# Altium PCB Wireless_Security_Board.PcbDoc (part 2 of 2)
Units mm, origin at the board's own origin, x right, y up, seen from the top; angles counter-clockwise.
Board outline 92 x 102 mm, 4 copper layers (Top Layer, GND, PWR, Bottom Layer), stack 1.369 mm thick; 124 components, 86 nets, 443 pads, 177 vias.
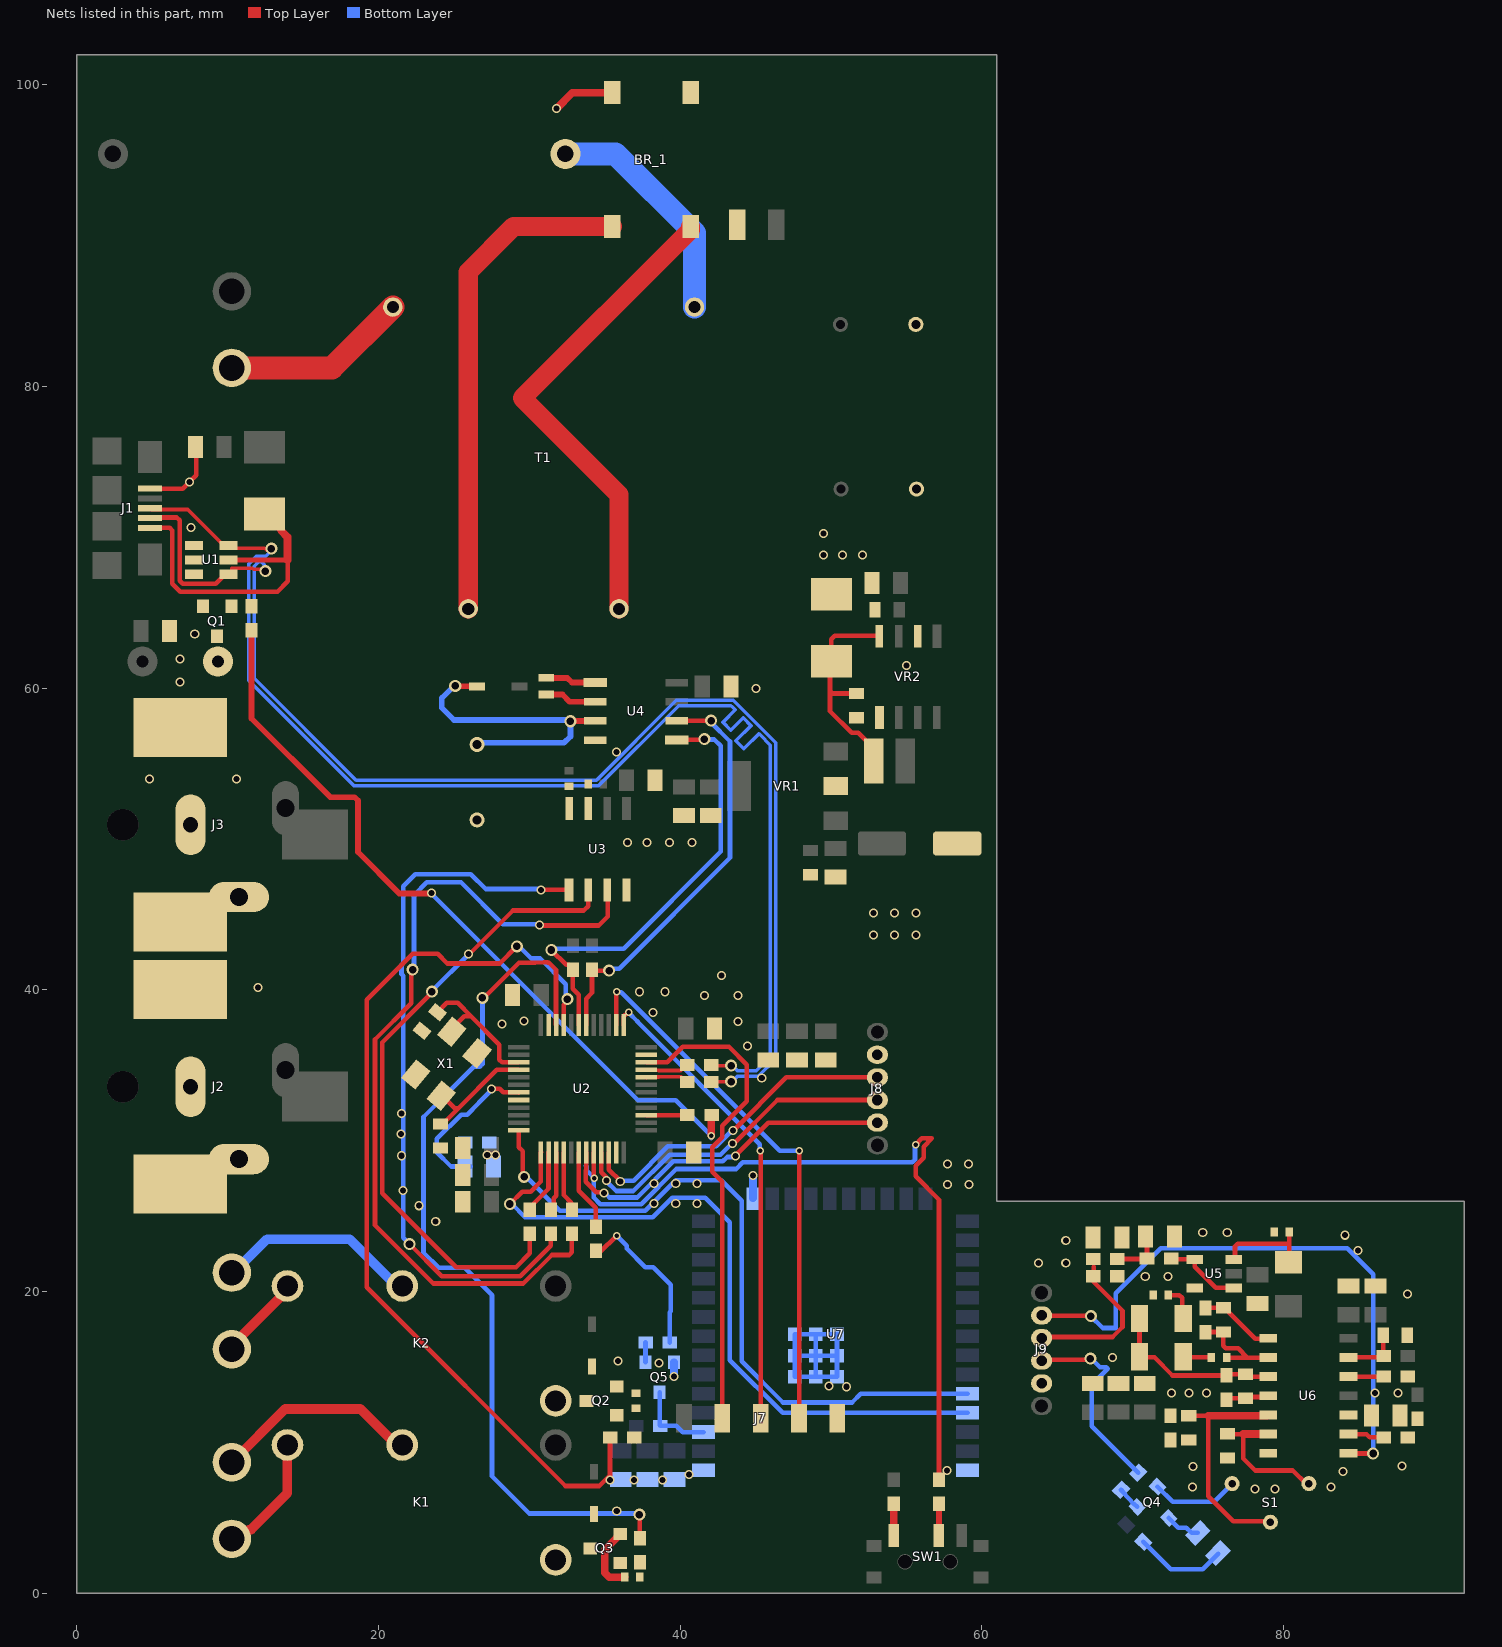
[diagram p4: the nets of this part, all layers, seen from the top]

## Via types
v1: diameter 0.6, hole 0.4, Top Layer to GND, 77 vias
v2: diameter 0.8, hole 0.5, Top Layer to PWR, 22 vias
v3: diameter 0.8, hole 0.5, PWR to Bottom Layer, 19 vias
v4: diameter 0.8, hole 0.5, Top Layer to Bottom Layer, 18 vias
v5: diameter 0.6, hole 0.4, Top Layer to Bottom Layer, 15 vias
v6: diameter 0.6, hole 0.4, GND to Bottom Layer, 13 vias
v7: diameter 0.5, hole 0.3, Top Layer to Bottom Layer, 8 vias
v8: diameter 0.6, hole 0.4, Top Layer to PWR, 5 vias

## Nets (pads, with @x,y where several pads share a name; then routed paths per layer and width w, separated by ;. In a path a pad name is that pad's centre, name@x,y a point inside that pad or via, vN(x,y) a via of type N, cw(c..) or ccw(c..) an arc to the next point about the centre after c; other vN are vias at no path point) (continued)
AC_LINE_2: J6.2 T1.1 | length 12.3
  Top Layer w1.524: J6.2@10.287,81.235 16.922,81.235 T1.1@20.955,85.268
BUZZER: R2.1 R17.2 | length 51.4
  Top Layer w0.305: R17.2@42.075,31.687 R17.2@42.088,31.699
  Top Layer w0.381: R2.1@11.582,63.843 11.582,58.001 16.802,52.781 18.42,52.781 18.644,52.558 18.644,49.136 21.387,46.393 23.482,46.393 v5(23.52,46.431)
  Top Layer w0.508: v7(42.075,30.328) R17.2@42.075,31.687
  Bottom Layer w0.305: v5(23.52,46.431) 23.52,46.38 37.211,32.69 39.713,32.69 v7(42.075,30.328) v7@42.075,30.158
GND: BR_1.4 C1.2 C2.2 C3.2 C4.1 C5.1 C6.2 C7.2 C8.2 C9.2 C10.1 C11.2 C12.2 C13.2 C14.2 C15.2 C16.1 C17.1 C18.2 C19.2 C20.1 C21.1 C22.1 C24.2 C25.1 C26.1 C42.2 C43.2 C44.2 C45.1 D5.2 J1.5 J2.2 J2.3 J3.2 J3.3 J7.5 J8.2 Q1.3 Q2.3 Q3.3 Q5.3 R12.2 R13.2 R35.1 U1.1 U1.2 U1.3 U2.8 U2.23 U2.35 U2.47 U3.4 U4.4 U7.1 U7.15 U7.38 U7.39 VR1.2 VR2.6 X1.2 X1.4 | length 34.5
  Top Layer w0.305: J1.5@4.854,73.228 7.023,73.228 v1(7.468,73.673) 7.912,74.117 C2.2@7.912,75.679
  Top Layer w0.5: Q3.3@36.036,3.919 35.986,3.919 35.836,3.769 35.836,3.719 35.077,2.96 35.077,2.947 35.008,2.877 35.008,1.36 35.301,1.067 R12.2@36.338,1.067
  Top Layer w0.508: J3.2@6.731,57.401 J3.2@7.431,56.701 ; J2.2@6.848,40.029 J2.2@7.548,39.329 ; v1(31.814,98.438) 32.863,99.487 BR_1.4@35.5,99.487
  Bottom Layer w0.305: Q5.3@39.596,15.326 Q5.3@39.597,15.324 ; v6(39.599,14.364) v6(39.599,14.364) ; U7.39@47.6,17.158 47.6,15.763 U7.39@47.604,15.758 ; U7.39@47.604,17.158 U7.39@49.004,17.158 U7.39@50.404,17.158 ; U7.39@49.004,16.966 U7.39@49.004,15.758 ; U7.39@50.406,16.968 50.406,15.76 U7.39@50.404,15.758 ; U7.39@47.604,15.758 U7.39@49.004,15.758 ; U7.39@47.604,15.758 U7.39@47.604,14.358 U7.39@49.004,14.358 ; U7.39@49.004,14.358 U7.39@50.404,14.358 U7.39@50.404,15.758 ; U7.39@49.004,14.358 U7.39@49.004,15.758 ; U7.39@49.004,15.758 U7.39@50.404,15.758
  Bottom Layer w0.508: v6(39.599,14.364) Q5.3@39.597,15.324 ; U7.15@44.818,26.184 44.835,26.201 44.835,27.694 v6(44.831,27.699)
  other v1: 35.801,5.448 51.041,13.691 49.886,13.729 38.608,15.253 35.89,15.405 23.8,24.651 22.695,25.692 38.278,25.845 39.713,25.845 41.11,25.845 21.622,26.701 38.278,27.165 39.713,27.165 41.11,27.165 21.539,29.007 21.501,30.442 21.539,31.813 45.415,34.15 44.475,36.297 28.207,37.744 43.84,37.897 29.655,37.935 38.193,38.506 41.605,39.637 43.828,39.637 37.324,39.878 39.002,39.878 12.014,40.17 42.748,40.97 52.819,43.637 54.204,43.637 55.639,43.637 52.819,45.11 54.204,45.11 55.639,45.11 36.525,49.771 37.808,49.771 39.294,49.771 40.777,49.771 4.813,53.975 10.605,53.975 35.789,55.766 45.047,59.995 6.858,60.427 55.004,61.493 6.846,61.938 7.823,63.602 49.505,68.834 50.762,68.834 52.095,68.834 49.505,70.269 7.582,70.663
  other v6: 35.344,7.506 36.932,7.506 38.849,7.506 40.589,7.887 57.696,8.153 57.734,27.089 59.157,27.089 57.721,28.473 59.131,28.473 27.216,29.07 27.775,29.07
GND_2: 1.1 C27.1 C28.2 C29.1 C32.1 C33.2 C34.1 C36.1 C38.2 C39.1 C40.1 C41.2 J9.2 Q4.3 R23.1 R26.2 R27.2 R28.2 S1.3 U5.5 U6.7 | length 5.9
  Bottom Layer w0.305: Q4.3@71.653,7.074 72.657,6.071 75.407,6.071 S1.3@76.601,7.264
  other v1: 78.13,6.909 79.451,6.909 73.977,7.036 83.147,7.036 83.96,8.077 74.016,8.407 87.859,8.445 72.581,13.271 73.749,13.271 74.905,13.271 86.068,13.271 87.592,13.271 68.656,15.634 88.214,19.85 70.841,21.006 72.352,21.006 63.767,21.895 65.57,21.895 84.95,22.72 65.57,23.393 84.087,23.736 74.651,23.927 76.276,23.927
LED_S: J9.3 R32.1 | length 13.3
  Top Layer w0.305: J9.3@63.97,15.419 64.039,15.488 67.127,15.488 v4(67.196,15.557)
  Bottom Layer w0.305: v4(67.196,15.557) 67.277,15.557 67.842,14.992 68.257,14.992 68.351,14.897 67.29,13.836 67.29,11.07 R32.1@70.365,7.995
LIGHT_1_GND: J4.2 K1.1 | length 8.1
  Top Layer w0.635: J4.2@10.287,3.607 10.805,3.607 11.421,4.223 11.551,4.223 13.97,6.642 K1.1@13.97,9.83
LIGHT_1_VCC: J4.1 K1.2 | length 13.8
  Top Layer w0.635: J4.1@10.287,8.687 13.818,12.217 18.806,12.217 21.194,9.83 K1.2@21.59,9.83
LIGHT_2_GND: J5.2 K2.1 | length 5.7
  Top Layer w0.635: J5.2@10.287,16.18 10.287,16.434 13.97,20.117 K2.1@13.97,20.371
LIGHT_2_VCC: J5.1 K2.2 | length 13.5
  Bottom Layer w0.635: J5.1@10.287,21.26 10.397,21.26 12.62,23.482 18.082,23.482 21.194,20.371 K2.2@21.59,20.371
MCU_N: R15.1 U2.32 | length 2.9
  Top Layer w0.254: U2.32@37.753,34.202 37.776,34.225 38.582,34.225 38.606,34.249 39.675,34.249 40.018,34.249 40.38,33.887 R15.1@40.462,33.887
MCU_P: R16.1 U2.33 | length 2.9
  Top Layer w0.254: U2.33@37.753,34.702 37.776,34.679 38.582,34.679 38.606,34.655 39.507,34.655 40.018,34.655 40.38,35.017 R16.1@40.462,35.017
NetBR_1_1: BR_1.1 T1.9 | length 33.1
  Top Layer w1.27: T1.9@25.955,65.268 25.955,87.601 28.961,90.607 BR_1.1@35.5,90.607
NetBR_1_2: BR_1.2 T1.7 | length 32.6
  Top Layer w1.27: T1.7@35.955,65.268 35.953,65.27 35.953,72.831 29.543,79.24 40.7,90.397 BR_1.2@40.7,90.607
NetBR_1_3: BR_1.3 F1.1
NetC3_1: C23.1 VR2.1
NetC3_2: C23.2 D5.1 L1.1 VR2.8 | length 13.6
  Top Layer w0.305: D5.1@49.936,61.798 49.936,59.83 ; 50.009,62.884 50.009,63.255 50.241,63.487 VR2.8@53.213,63.487 ; C23.2@51.689,59.652 50.115,59.652 49.936,59.83 ; L1.1@52.832,55.169 52.832,56.019 51.807,57.044 51.379,57.044 49.936,58.486 49.936,59.83
NetC18_2: C4.2 U2.3 X1.3 | length 9.7
  Top Layer w0.305: C4.2@23.92,38.522 24.536,39.138 25.251,39.138 26.137,38.252 ; X1.3@24.858,37.227 24.858,37.429 25.681,38.252 26.137,38.252 ; U2.3@29.303,35.202 29.301,35.204 28.197,35.204 28.018,35.383 28.018,36.371 26.137,38.252
NetC19_2: C5.2 U2.4 X1.1 | length 7.7
  Top Layer w0.305: X1.1@24.164,32.979 24.235,32.979 25.058,32.156 25.31,32.156 ; C5.2@24.463,31.308 25.31,32.156 ; U2.4@29.303,34.702 29.301,34.699 27.854,34.699 25.31,32.156
NetC28_1: C3.1 D2.1 U4.3 | length 21.3
  Top Layer w0.203: v4(32.728,57.81) v4@32.741,57.823 ; U4.3@34.371,57.823 U4.3@34.384,57.836
  Top Layer w0.381: v4(25.096,60.153) 25.111,60.137 26.528,60.137 D2.1@26.543,60.122 ; v4@32.741,57.823 U4.3@34.371,57.823
  Bottom Layer w0.381: v4(25.096,60.153) 25.012,60.153 24.206,59.347 24.206,58.699 25.015,57.891 32.648,57.891 v4(32.728,57.81) 32.728,56.807 32.311,56.39 26.661,56.39 C3.1@26.543,56.272
NetC31_1: C30.1 C31.1 C37.1 R25.1 U6.3 | length 11.9
  Top Layer w0.305: C31.1@70.457,18.44 C31.1@70.457,18.224 C30.1@70.457,15.684 70.508,15.634 71.45,15.634 72.644,14.44 R25.1@76.225,14.44 76.314,14.529 C37.1@77.495,14.529 77.66,14.364 U6.3@78.995,14.364
NetC31_2: C37.2 R25.2 U6.4 | length 2.9
  Top Layer w0.305: R25.2@76.225,12.84 76.314,12.929 C37.2@77.495,12.929 77.578,13.011 78.913,13.011 U6.4@78.995,13.094
NetC34_2: C30.2 R24.1 | length 1.9
  Top Layer w0.305: C30.2@73.357,15.684 73.408,15.634 R24.1@75.23,15.634
NetC35_1: 2.1 C35.1 R24.2 U6.2 | length 6.8
  Top Layer w0.305: 2.1@74.828,17.31 74.841,17.323 C35.1@76.035,17.323 76.009,17.297 76.009,16.409 76.187,16.231 77.003,16.231 77.613,15.621 ; R24.2@76.23,15.634 76.243,15.621 77.613,15.621 ; U6.2@78.995,15.634 78.982,15.621 77.613,15.621
NetC35_2: 2.2 C35.2 U6.1 | length 5.1
  Top Layer w0.305: 2.2@74.828,18.91 74.841,18.923 C35.2@76.035,18.923 76.16,18.923 76.383,18.7 76.383,18.626 78.127,16.882 78.974,16.882 U6.1@78.995,16.904
NetC36_2: 1.2 C31.2 | length 2.4
  Top Layer w0.305: 1.2@72.357,19.761 73.105,19.761 73.284,19.583 73.284,18.26 C31.2@73.319,18.224
NetC38_2: C36.2 S1.1 U6.6 | length 9.4
  Top Layer w0.305: C36.2@76.289,10.554 77.337,10.554 77.337,8.934 78.133,8.138 80.631,8.138 81.504,7.264 S1.1@81.692,7.264
  Top Layer w0.508: 77.337,10.554 U6.6@78.995,10.554
NetC39_2: C34.2 R23.2 S1.2 U6.5 | length 15.5
  Top Layer w0.305: C34.2@73.724,11.76 75.006,11.76 75.006,6.439 76.67,4.775 79.065,4.775 S1.2@79.131,4.709 ; U6.5@78.932,11.76 U6.5@78.995,11.824
  Top Layer w0.508: 75.006,11.76 U6.5@78.932,11.76
NetC41_1: C33.1 R20.1 R21.1 R22.2 | length 3.5
  Top Layer w0.305: R21.1@68.986,22.162 70.917,22.162 R22.2@70.955,22.2 70.955,23.558 C33.1@70.866,23.647
NetD1_2: D3.2 K2.4 Q2.2
NetD2_2: D4.2 K1.4 Q3.2
NetD4_2: D1.2 J1.1 U1.5 | length 21.5
  Top Layer w0.305: J1.1@5.651,70.637 6.159,70.637 6.337,70.459 6.337,66.932 6.861,66.408 13.31,66.408 13.995,67.094 13.995,68.477 13.97,68.502 U1.5@10.067,68.502
  Top Layer w0.508: D1.2@12.446,71.552 12.531,71.552 13.564,70.52 13.564,70.434 13.97,70.028 13.97,68.502
NetD6_1: D6.1 R30.1
NetD6_2: D6.2 U6.10
NetD7_1: D7.1 R31.2 | length 6.2
  Bottom Layer w0.305: R31.2@70.714,3.404 72.53,1.587 74.651,1.587 D7.1@75.692,2.629
NetD7_2: D7.2 Q4.2 | length 2.3
  Bottom Layer w0.305: Q4.2@72.396,4.988 73.04,4.343 73.565,4.343 73.909,3.999 D7.2@74.322,3.999
NetJ6_2: J7.2 U2.34 | length 32.2
  Top Layer w0.305: U2.34@37.753,35.202 37.755,35.204 39.154,35.204 40.17,36.22 43.244,36.22 44.412,35.052 44.412,32.614 42.801,31.002 42.801,30.227 42.143,29.57 42.143,27.946 42.799,27.29 J7.2@42.799,11.608
NetJ6_3: J7.3 U2.37 | length 31.5
  Top Layer w0.305: U2.37@36.278,37.677 36.278,38.258 36.554,38.534 v7(36.604,38.534) ; J7.3@45.339,11.608 v7@45.339,29.312
  Bottom Layer w0.305: v7(36.604,38.534) 36.604,38.481 37.177,37.908 37.177,37.892 45.289,29.781 45.289,29.362 v7(45.326,29.324)
NetJ6_4: J7.4 U2.38 | length 36.4
  Top Layer w0.305: U2.38@35.778,37.677 v7@35.778,39.88 ; J7.4@47.879,11.608 47.904,11.633 v7(47.904,29.35)
  Bottom Layer w0.305: v7(35.789,39.891) 35.826,39.853 36.105,39.853 46.609,29.35 v7(47.904,29.35)
NetJ8_3: J8.3 U2.22 | length 22.2
  Top Layer w0.305: U2.22@35.278,29.227 35.28,29.224 35.28,28.088 36.033,27.336 v5(36.033,27.297) ; v5(43.512,30.666) 47.048,34.202 J8.3@53.086,34.202
  Bottom Layer w0.305: v5(36.033,27.297) 36.089,27.354 36.917,27.354 39.192,29.629 42.396,29.629 43.432,30.666 v5(43.512,30.666)
NetJ8_4: J8.4 U2.21 | length 22.9
  Top Layer w0.305: U2.21@34.778,29.227 34.78,29.224 34.78,27.907 35.113,27.574 v5(35.113,27.364) v5@35.057,27.42 ; v5(43.488,29.812) 43.568,29.812 46.457,32.702 J8.4@53.086,32.702
  Bottom Layer w0.305: v5(35.113,27.364) 35.113,27.325 35.772,26.667 36.903,26.667 39.319,29.083 42.679,29.083 43.408,29.812 v5(43.488,29.812)
NetJ8_5: J8.5 U2.19 | length 23.8
  Top Layer w0.305: U2.19@33.778,29.227 33.778,28.088 33.744,28.055 33.744,27.277 34.439,26.582 34.894,26.582 v5(34.95,26.525) ; v5(43.688,28.982) 43.688,29.041 45.849,31.202 J8.5@53.086,31.202
  Bottom Layer w0.305: v5(34.95,26.525) 35.03,26.525 35.321,26.235 37.151,26.235 39.549,28.633 42.839,28.633 43.132,28.925 43.632,28.925 v5(43.688,28.982)
NetLS1_2: LS1.2 Q1.2
NetQ1_1: Q3.1 R12.1 R14.2
NetQ2_1: Q2.1 R11.2 R13.1
NetQ3_1: Q5.1 R33.2 | length 1.3
  Bottom Layer w0.305: Q5.1@37.706,15.326 R33.2@37.706,16.624
NetQ4_1: Q1.1 R2.2
NetQ5_1: Q4.1 R32.2 | length 1.6
  Bottom Layer w0.305: R32.2@69.234,6.864 69.395,6.675 70.082,5.923 Q4.1@70.31,5.73
NetR1_2: R1.2 T1.5 | length 15.6
  Bottom Layer w1.524: R1.2@32.399,95.428 35.712,95.428 40.955,90.185 T1.5@40.955,85.268
NetR2_1: R14.1 U2.46 | length 58.6
  Top Layer w0.305: v3(26.899,39.472) 27,39.472 29.324,41.796 29.983,41.796 30.407,41.808 30.952,41.821 31.226,41.821 31.305,41.796 31.383,41.718 31.776,41.326 31.776,37.679 U2.46@31.778,37.677 ; v2(37.3,5.213) 37.319,5.194 37.319,3.661 R14.1@37.338,3.642
  Bottom Layer w0.305: v3(26.899,39.472) 26.899,35.091 26.72,34.912 26.327,34.912 22.987,31.572 22.987,22.581 23.99,21.577 25.719,21.577 27.534,19.762 ; 27.534,19.761 27.534,7.76 30.004,5.289 37.224,5.289 v2(37.3,5.213)
  other v2: 26.899,39.472
  other v3: 37.3,5.213
NetR3_1: R11.1 U2.45 | length 62.5
  Top Layer w0.305: v2(29.185,42.888) 28.046,41.75 24.574,41.75 23.931,42.393 22.272,42.393 19.234,39.355 19.234,20.279 32.401,7.112 34.63,7.112 35.357,7.839 R11.1@35.357,10.338 ; U2.45@32.278,37.677 32.28,37.679 32.28,39.017 32.525,39.261 v3(32.525,39.395)
  Bottom Layer w0.305: v2(29.185,42.888) 29.319,42.888 30.124,42.082 30.717,42.082 32.43,40.369 32.43,39.49 v3(32.525,39.395)
  other v2: 32.525,39.395
  other v3: 29.185,42.888
NetR10_1: R3.1 U2.14 | length 4.3
  Top Layer w0.305: R3.1@30.036,25.438 30.283,25.686 30.283,25.825 31.276,26.818 31.276,29.224 U2.14@31.278,29.227
NetR11_1: R4.1 U2.15 | length 3.9
  Top Layer w0.305: R4.1@31.623,25.438 31.623,26.2 31.778,26.355 U2.15@31.778,29.227
NetR12_1: R6.1 U2.16 | length 4.2
  Top Layer w0.305: U2.16@32.278,29.227 32.28,29.224 32.28,26.406 32.795,25.891 R6.1@32.795,25.438 ; R6.1@32.83,25.438 R6.1@32.957,25.311
NetR14_1: R10.1 U2.18 | length 5.4
  Top Layer w0.305: U2.18@33.278,29.227 33.278,26.691 34.417,25.552 R10.1@34.417,24.308
NetR17_1: R17.1 U2.27 | length 2.7
  Top Layer w0.305: U2.27@37.753,31.702 37.754,31.701 40.486,31.701 R17.1@40.488,31.699
NetR18_1: R19.1 SW1.2 | length 2.1
  Top Layer w0.381: SW1.2@57.162,3.833 R19.1@57.163,5.931
NetR19_2: R18.2 SW1.1 | length 2.1
  Top Layer w0.508: SW1.1@54.162,3.833 R18.2@54.162,5.927
NetR20_1: R5.1 U3.8
NetR21_1: R8.1 U3.7
NetR28_1: R28.1 U6.12 | length 2.3
  Top Layer w0.305: U6.12@84.315,14.364 R28.1@86.652,14.364
NetR29_1: R27.1 U6.9 | length 2.4
  Top Layer w0.305: U6.9@84.315,10.554 85.509,10.554 85.725,10.338 R27.1@86.64,10.338
NetR34_1: R22.1 U5.1 U5.4 | length 5.3
  Top Layer w0.305: R22.1@72.555,22.2 72.621,22.134 U5.4@74.113,22.134 74.113,21.645 75.514,20.244 U5.1@76.713,20.244
NetR36_1: R26.1 TH1.2 U5.3 | length 6.5
  Top Layer w0.305: U5.3@76.713,22.134 76.793,22.214 76.793,22.995 76.971,23.174 80.395,23.174 ; TH1.2@80.34,21.933 80.395,22.531 80.395,23.174 ; R26.1@80.395,23.817 80.395,23.174
NetU4_1: U4.1 X2.1 | length 3.4
  Top Layer w0.381: X2.1@31.128,60.684 32.521,60.684 32.83,60.376 U4.1@34.384,60.376
NetU4_2: U4.2 X2.2 | length 3.5
  Top Layer w0.381: X2.2@31.128,59.584 32.198,59.584 32.677,59.106 U4.2@34.384,59.106
NRST: C45.2 R35.2 U2.7 | length 10.5
  Top Layer w0.305: v5(27.483,33.437) 28.057,33.437 28.289,33.204 29.301,33.204 U2.7@29.303,33.202
  Bottom Layer w0.305: C45.2@26.105,28.296 24.816,28.296 23.876,29.235 23.876,30.124 25.48,31.728 25.882,31.728 26.654,32.5 26.654,32.529 27.483,33.357 v5(27.483,33.437)
PIR_DETECT: J9.5 U6.8 | length 40.2
  Top Layer w0.305: J9.5@63.97,18.419 63.991,18.398 67.213,18.398 v4(67.234,18.377) ; U6.8@84.315,9.296 84.347,9.265 v4(85.947,9.265) v4@86.004,9.208
  Bottom Layer w0.305: v4(67.234,18.377) 68.028,17.583 68.866,17.583 68.885,17.564 68.885,19.894 71.864,22.873 84.239,22.873 85.966,21.146 85.966,9.284 v4(85.947,9.265)
PIR_OSC: C41.1 R29.2 U6.13 | length 3.5
  Top Layer w0.305: U6.13@84.315,15.634 86.322,15.634 R29.2@86.652,15.735 ; R29.2@86.614,15.941 C41.1@86.614,17.107
RTC_SCL: R9.2 U2.42 U4.6 | length 28
  Top Layer w0.305: U2.42@33.778,37.677 33.78,37.679 33.78,39.419 34.163,39.802 R9.2@34.163,41.326 34.214,41.275 v3(35.293,41.275) ; U4.6@39.784,57.836 39.797,57.848 v2(42.062,57.848)
  Bottom Layer w0.305: v3(35.293,41.275) 35.433,41.415 35.966,41.415 43.307,48.755 43.307,56.47 42.062,57.714 v2(42.062,57.848)
  other v2: 35.293,41.275
  other v3: 42.062,57.848
RTC_SDA: R7.2 U2.43 U4.5 | length 29.9
  Top Layer w0.305: v2(31.471,42.647) 31.471,42.634 32.449,41.656 32.645,41.656 32.893,41.408 R7.2@32.893,41.326 32.88,41.313 32.88,40.072 33.276,39.677 33.276,37.679 U2.43@33.278,37.677 ; U4.5@39.784,56.566 39.816,56.598 41.573,56.598 v3(41.605,56.629)
  Bottom Layer w0.305: v2(31.471,42.647) 31.565,42.741 36.264,42.741 42.697,49.174 42.697,56.185 42.278,56.604 41.631,56.604 v3(41.605,56.629)
  other v2: 41.605,56.629
  other v3: 31.471,42.647
SENSOR_ON_OFF: R19.2 U2.20 | length 52.8
  Top Layer w0.305: U2.20@34.278,29.227 34.278,27.617 34.324,27.57 v7(34.324,27.518) ; v7(55.613,29.743) 56.032,30.162 56.693,30.162 56.143,29.612 56.143,28.868 55.613,28.339 55.613,27.648 57.163,26.098 R19.2@57.163,7.531
  Bottom Layer w0.305: 33.758,28.351 33.796,28.314 33.796,28.046 v7(34.324,27.518) 34.287,27.48 34.287,26.818 34.277,26.808 34.277,26.239 34.713,25.803 37.424,25.803 39.751,28.13 43.726,28.13 44.158,28.562 55.397,28.562 55.576,28.741 55.576,29.706 v7(55.613,29.743)
TEMP_ADC: C28.1 J9.4 R20.2 R21.2 | length 10.5
  Top Layer w0.305: J9.4@63.97,16.919 64.043,16.993 68.669,16.993 69.329,17.653 69.329,18.733 67.424,20.637 67.424,21.653
TEMP_IN_CS: R3.2 U3.2 | length 42
  Top Layer w0.305: v2(23.546,39.891) 23.546,39.8 20.257,36.511 20.257,26.508 25.149,21.615 29.121,21.615 30.036,22.53 R3.2@30.036,23.838 ; v5@26.039,42.38 28.922,45.263 33.625,45.263 33.909,45.547 U3.2@33.909,46.627
  Bottom Layer w0.305: v2(23.546,39.891) 23.546,39.929 25.959,42.342 v5(25.959,42.38)
  other v3: 23.546,39.891
TEMP_IN_SCLK: R4.2 U3.1 | length 47.7
  Top Layer w0.305: v3(22.06,23.152) 24.194,21.018 29.413,21.018 31.433,23.038 R4.2@31.433,23.838 ; v5(30.769,46.634) U3.1@32.639,46.627 U3.1@32.541,46.611
  Bottom Layer w0.305: v3(22.06,23.152) 22.06,23.172 21.654,23.578 21.654,40.928 21.533,41.049 21.533,41.654 21.654,41.774 21.654,46.876 22.454,47.676 26.133,47.676 27.118,46.691 30.712,46.691 v5(30.769,46.634)
  other v2: 22.06,23.152
TEMP_IN_SIO: R6.2 U3.3 | length 56.1
  Top Layer w0.305: v2(22.263,41.351) 22.168,41.256 22.168,39.105 19.774,36.711 19.774,24.405 23.643,20.536 29.613,20.536 31.505,22.428 32.651,22.428 32.83,22.607 R6.2@32.83,23.838 ; v5(30.683,44.31) 30.721,44.272 34.608,44.272 35.204,44.869 U3.3@35.204,46.627
  Bottom Layer w0.305: v2(22.263,41.351) 22.358,41.446 22.358,46.28 23.204,47.126 25.478,47.126 28.237,44.367 30.627,44.367 v5(30.683,44.31)
  other v3: 22.263,41.351
USB_N: J1.2 R15.2 U1.4 | length 87.4
  Top Layer w0.234: U1.4@10.061,67.558 10.095,67.558 10.278,67.741 10.278,67.964 11.642,67.964 11.726,67.88 12.402,67.88 v2(12.51,67.772) ; R15.2@42.062,33.887 42.097,33.922 v3(43.383,33.922)
  Top Layer w0.305: J1.2@4.854,71.283 4.889,71.318 6.629,71.318 6.82,71.127 6.82,67.132 7.024,66.928 9.21,66.928 U1.4@9.706,67.424
  Bottom Layer w0.234: v2(12.51,67.772) 12.426,67.856 12.426,68.2 12.246,68.38 12.052,68.38 11.76,68.088 11.76,60.668 18.517,53.911 34.455,53.911 39.751,59.207 43.52,59.207 46.348,56.38 46.348,35.423 45.193,34.268 43.803,34.268 43.457,33.922 v3(43.383,33.922)
  other v2: 43.383,33.922
  other v3: 12.51,67.772
USB_P: J1.3 R16.2 U1.6 | length 90
  Top Layer w0.234: J1.3@4.854,71.933 4.937,71.85 7.369,71.85 9.761,69.458 U1.6@10.061,69.458 10.244,69.275 12.452,69.275 12.588,69.14 12.599,69.151 12.794,69.151 v3(12.902,69.259) ; R16.2@42.062,35.017 42.103,34.976 v3(43.383,34.976)
  Bottom Layer w0.234: v3(12.902,69.259) 12.902,69.106 12.537,68.741 11.902,68.741 11.399,68.238 11.399,60.518 18.367,53.55 34.605,53.55 39.901,58.846 43.371,58.846 43.453,58.763 43.653,58.563 42.841,57.751 43.366,57.226 44.178,58.039 44.703,57.514 43.701,56.512 44.226,55.987 45.228,56.989 45.311,56.906 45.987,56.23 45.987,35.573 45.043,34.629 43.803,34.629 43.457,34.976 v3(43.383,34.976)
  other v2: 43.383,34.976 12.902,69.259
WIFI_EN: R10.2 R33.1 | length 10.5
  Top Layer w0.305: R10.2@34.681,22.603 v7(35.789,23.711)
  Bottom Layer w0.305: v7(35.789,23.711) 36.462,23.037 36.462,22.859 37.698,21.624 38.208,21.624 39.369,20.463 39.369,18.692 39.319,18.642 R33.1@39.319,16.624
WIFI_OUT: Q5.2 R34.2 U7.3 | length 5.3
  Bottom Layer w0.305: Q5.2@38.646,13.326 38.646,11.138 R34.2@38.684,11.1 39.751,11.1 40.17,10.681 U7.3@41.554,10.681
WIFI_RXD: U2.12 U7.34 | length 47
  Top Layer w0.305: U2.12@29.303,30.702 29.303,29.574 29.56,29.317 29.56,27.705 v4(29.655,27.61)
  Bottom Layer w0.305: v4(29.655,27.61) 29.789,27.61 32.027,25.372 37.691,25.372 39.7,27.381 42.736,27.381 44.082,26.035 44.082,15.392 46.825,12.649 51.397,12.649 51.981,13.233 U7.34@59.054,13.233
WIFI_TXD: U2.13 U7.35 | length 47.1
  Top Layer w0.305: v4(28.721,25.806) 29.531,26.616 30.096,26.616 30.776,27.296 30.776,29.224 U2.13@30.778,29.227
  Bottom Layer w0.305: v4(28.721,25.806) 28.855,25.806 29.722,24.94 38.199,24.94 39.484,26.226 41.681,26.226 43.304,24.602 43.304,15.458 46.8,11.963 U7.35@59.054,11.963
pads on no net: J1. J1.4 J2. J3. J8.6 J9.6 SW1. SW1.3 U2.1 U2.2 U2.5 U2.6 U2.10 U2.11 U2.17 U2.25 U2.26 U2.28 U2.29 U2.30 U2.31 U2.39 U2.40 U2.41 U2.44 U3.6 U4.7 U6.11 U7.4 U7.5 U7.6 U7.7 U7.8 U7.9 U7.10 U7.11 U7.12 U7.13 U7.14 U7.16 U7.17 U7.18 U7.19 U7.20 U7.21 U7.22 U7.23 U7.24 U7.25 U7.26 U7.27 U7.28 U7.29 U7.30 U7.31 U7.32 U7.33 U7.36 U7.37 VR2.2 VR2.3 VR2.5

## Polygon pours and split planes (outlines as drawn)
GND on Top Layer "Top Layer-GND" (solid, remove dead copper, pour order 58): 3.327,25.133 5.398,23.063 13.17,23.063 16.878,19.355 16.878,16.891 31.56,2.21 36.246,2.21 38.913,4.877 38.913,6.693 42.291,10.071 51.333,10.071 58.509,17.247 58.509,48.387 59.373,48.387 60.033,49.047 60.033,50.406 59.373,51.067 58.509,51.067 58.509,86.322 54.381,86.322 48.755,80.696 48.755,62.078 47.536,60.858 14.288,60.858 9.182,65.964 3.226,65.964 3.327,59.538
GND_2 on Top Layer "GND_2_L01_P059" (solid, remove dead copper, pour order 59): 62.751,22.288 62.751,11.976 68.783,5.944 68.809,5.969 88.494,5.969 89.421,6.896 89.421,20.104 84.671,24.854 65.316,24.854
NetQ1_1 on Top Layer "NETQ1_1_L01_P037" (solid, pour order 37): 36.83,2.464 36.957,2.591 37.719,2.591 37.821,2.489 37.821,1.422 37.668,1.27 37.668,0.762 37.592,0.686 37.135,0.686 36.957,0.864 36.957,1.524 36.855,1.626 35.585,1.626 35.509,1.702 35.509,2.388 35.585,2.464 35.662,2.464
GND on Top Layer "GND_L01_P060" (solid, pour order 60): 7.709,71.031 7.404,71.031 7.163,70.79 7.163,67.348 7.264,67.246 8.331,67.246 8.42,67.335 8.42,70.32
5VDC on Top Layer "5VDC_L01_P030" (solid, pour order 30): 57.379,58.776 57.379,57.328 58.843,55.864 59.131,55.167 59.131,54.026 58.699,53.594 56.236,53.594 55.422,52.78 55.143,52.108 55.143,49.174 54.788,48.819 48.158,48.819 48.006,48.971 48.031,48.997 48.031,51.13 49.174,52.273 51.638,52.273 51.638,50.946 49.116,50.42 48.87,50.116 48.87,50 49.136,49.733 49.225,49.733 49.555,50.063 51.283,50.063 53.795,52.576 54.153,53.439 54.153,56.617 54.407,56.871 56.363,56.871 56.693,57.201 56.693,58.801 56.871,58.979 57.226,58.979 57.379,58.826
NetQ4_1 on Top Layer "NETQ4_1_L01_P040" (solid, pour order 40): 9.906,66.002 10.947,66.002 11.024,66.078 11.963,66.078 12.09,65.951 12.09,65.062 11.963,64.935 9.931,64.935 9.779,65.087 9.779,65.875
NetQ2_1 on Top Layer "NETQ2_1_L01_P038" (solid, pour order 38): 36.5,12.268 36.805,12.573 36.805,12.598 37.363,12.598 37.516,12.446 37.516,9.957 37.389,9.83 36.5,9.83 36.373,9.957 36.373,11.151 36.246,11.278 35.382,11.278 35.255,11.405 35.255,12.192 35.331,12.268
NetD2_2 on Top Layer "NETD2_2_L01_P034" (solid, pour order 34): 34.417,2.388 33.68,2.388 32.461,1.168 31.115,1.168 30.632,1.651 30.632,2.743 31.369,3.48 31.394,3.454 33.553,3.454 33.934,3.835 33.934,5.791 34.087,5.944 34.468,5.944 34.595,5.817 34.595,2.565 34.595,5.893 34.595,2.565
5VDC on Top Layer "5VDC_L01_P029" (solid, pour order 29): 3.175,61.138 3.683,60.63 4.826,60.63 5.461,61.265 5.461,62.535 4.953,63.043 4.953,64.567 4.699,64.821 3.81,64.821 3.556,64.567 3.556,62.916 3.175,62.535
5VDC on Top Layer "5VDC_L01_P028" (solid, pour order 28): 9.487,72.314 9.144,72.657 9.144,76.632 9.779,77.267 13.843,77.267 14.097,77.013 14.097,74.981 13.589,74.473 10.795,74.473 10.287,73.965 10.287,72.555 10.046,72.314
GND on Bottom Layer "Bottom Layer-GND" (solid, pour order 56): 57.988,25.298 59.652,26.962 59.652,28.664 59.22,29.096 57.518,29.096 57.214,28.791 57.214,27.851 57.214,24.194 51.384,18.364 47.066,18.364 46.444,17.742 46.444,13.754 46.876,13.322 51.079,13.322 51.727,13.97 51.727,17.183 57.988,23.444
3V3DC on PWR (split plane): 203 vertices, not listed, extent 0.51,0.51 60.655,86.703
5VDC on PWR (split plane): 11.662,74.295 6.462,61.5 6.462,61.499 6.46,61.487 6.458,61.475 6.458,61.474 6.46,61.462 6.463,61.45 6.463,61.449 6.47,61.439 6.477,61.429 13.328,54.855 13.337,54.85 13.345,54.844 13.347,54.843 13.35,54.842 13.359,54.84 13.369,54.837 13.372,54.838 13.374,54.837 13.384,54.84 13.394,54.841 16.416,55.884 30.617,60.667 43.859,60.614 51.499,56.839 51.501,56.838 51.503,56.837 51.513,56.835 51.523,56.832 51.525,56.832 51.527,56.832 59.156,56.781 59.168,53.503 59.002,53.494 51.618,53.494 42.387,58.971 42.382,58.973 42.378,58.975 42.37,58.977 42.363,58.979 42.358,58.979 42.354,58.98 31.128,58.98 31.118,58.978 31.108,58.977 17.138,54.481 17.129,54.476 17.12,54.472 17.118,54.47 17.116,54.469 17.11,54.461 17.103,54.454 14.582,50.445 12.044,50.408 2.68,61.794 9.377,75.353
3V3DC_2 on PWR (split plane): 91.49,0.51 62.7,0.51 62.7,25.49 91.49,25.49
3V3DC on PWR (split plane): 42.986,56.691 46.864,48.183 42.243,36.002 42.241,35.991 42.239,35.979 42.239,33.21 42.24,33.206 42.24,33.202 42.242,33.194 42.244,33.186 42.246,33.182 42.248,33.178 42.253,33.172 42.258,33.165 42.262,33.162 42.265,33.159 42.777,32.772 40.988,30.983 40.974,30.962 40.969,30.937 40.969,24.104 38.64,17.898 36.787,18.006 37.047,20.641 37.528,23.053 37.528,23.065 37.528,23.078 37.524,23.089 37.519,23.101 36.415,24.775 36.41,24.78 36.406,24.785 36.401,24.789 36.397,24.793 36.391,24.796 36.385,24.799 36.379,24.801 36.374,24.803 36.367,24.803 36.361,24.804 35.318,24.804 35.307,24.802 35.296,24.801 35.295,24.8 35.293,24.799 35.284,24.793 35.275,24.788 33.592,23.266 29.119,23.09 29.107,23.087 29.096,23.085 29.095,23.084 29.094,23.084 29.085,23.077 29.075,23.071 27.773,21.769 25.224,21.769 24.246,22.747 24.246,24.433 24.945,25.132 27.225,25.17 28.175,24.632 28.179,24.631 28.183,24.628 28.191,24.627 28.199,24.625 28.204,24.625 28.208,24.624 29.338,24.649 29.35,24.652 29.362,24.654 29.362,24.655 29.363,24.655 29.373,24.662 29.383,24.668 31.548,26.834 37.795,26.834 37.82,26.839 37.841,26.853 38.031,27.043 38.046,27.064 38.05,27.089 38.05,30.809 38.387,31.145 38.401,31.166 38.406,31.191 38.406,31.939 38.971,32.504 39.543,33.076 39.557,33.097 39.562,33.122 39.562,40.856 39.559,40.868 39.557,40.881 39.55,40.891 39.543,40.902 39.532,40.909 39.522,40.916 39.509,40.918 39.497,40.921 32.449,40.933 32.446,40.933 32.442,40.933 32.433,40.93 32.424,40.928 32.421,40.927 32.418,40.926 30.261,39.785 29.164,41.466 31.347,42.595 39.153,42.692 39.165,42.695 39.178,42.697 39.178,42.698 39.188,42.705 39.199,42.712 39.206,42.722 39.213,42.733 39.215,42.745 39.217,42.757 39.165,56.749
12VDC on PWR (split plane): 52.982,45.748 52.945,43.256 51.717,41.916 51.712,41.906 51.705,41.897 51.705,41.895 51.704,41.894 51.703,41.883 51.7,41.872 51.7,18.771 51.688,16.856 33.329,8.358 27.383,8.358 27.41,16.827 27.41,16.828 27.41,16.83 27.408,16.841 27.405,16.852 27.405,16.853 27.404,16.854 27.398,16.864 27.391,16.873 27.39,16.874 27.389,16.875 27.38,16.881 27.37,16.887 27.369,16.887 27.368,16.888 27.357,16.89 27.346,16.892 27.344,16.892 27.343,16.892 17.241,16.5 16.066,19.817 16.066,24.828 14.48,24.828 11.99,36.473 15.343,37.035 19.622,18.565 19.625,18.558 19.627,18.551 19.63,18.547 19.632,18.542 19.638,18.537 19.643,18.531 19.647,18.529 19.651,18.525 19.658,18.522 19.665,18.519 19.67,18.518 19.674,18.516 19.682,18.516 19.69,18.516 27.707,19.116 27.717,19.119 27.727,19.121 27.729,19.122 27.732,19.123 27.74,19.129 27.748,19.135 30.417,21.804 33.074,22.116 33.709,19.857 29.593,15.826 29.579,15.805 29.574,15.78 29.527,11.329 29.529,11.318 29.531,11.306 29.532,11.305 29.538,11.294 29.545,11.284 29.546,11.283 29.555,11.277 29.565,11.27 29.566,11.269 29.578,11.267 29.59,11.264 33.414,11.15 33.415,11.15 33.416,11.15 33.427,11.152 33.439,11.154 33.44,11.155 33.441,11.155 49.467,18.038 49.477,18.045 49.487,18.052 49.494,18.063 49.501,18.073 49.501,18.074 49.503,18.085 49.506,18.098 49.506,24.27 49.506,42.126 49.505,42.131 49.505,42.135 49.502,42.143 49.501,42.151 49.498,42.155 49.497,42.159 49.491,42.165 49.487,42.172 49.483,42.174 49.48,42.178 48.312,43.047 48.325,45.564 50.449,46.515
GND on GND (split plane): 29.121,101.359 0.51,101.359 0.51,101.49 29.121,101.49
GND_2 on GND (split plane): 91.49,0.51 62.382,0.51 62.382,25.49 91.49,25.49
GND on GND (split plane): 60.49,26.111 60.452,26.111 60.452,7.201 41.161,7.201 41.161,0.51 15.761,0.51 15.761,24.79 0.51,24.79 0.51,77.534 14.707,77.534 14.707,61.519 47.943,61.519 47.943,89.281 58.89,89.281 58.89,97.46 29.832,97.46 29.832,99.543 60.49,99.543

## Keep-outs
Top Layer:
  circle w0.254: c49.75,42 r1.5
Keep-Out Layer:
  lines w0.1: 60.973,0.051 60.973,102 0,102 0,0 60.973,0 91.58,0 ; 60.973,25.946 91.605,25.946 91.605,0.064 91.592,0.064 91.58,0.051

## Other copper
Top Layer:
  region: 49.75,42.75 ccw(c49.75,42) 49,42 ccw(c49.75,42) 49.75,41.25 ccw(c49.75,42) 50.5,42 ccw(c49.75,42)
  region net 3V3DC_2: 69.431,11.392 70.358,10.465 70.358,11.112 70.625,11.379
  region net 3V3DC_2: 63.589,13.081 64.694,13.081 65.176,12.598 71.488,12.598 71.615,12.471 71.615,11.532 71.171,11.087 63.97,11.087 63.208,11.849 63.208,12.7
  pour cut-out: 38.659,33.299 38.672,33.287 44.069,33.287 44.069,35.395 43.244,36.22 40.246,36.22 38.681,34.655
  pour cut-out: 39.827,31.121 41.635,31.121 41.635,31.526 41.72,31.61 41.694,31.636 40.03,31.636
  region net NetBR_1_3: 40.157,100.47 39.865,100.178 39.865,98.946 42.799,95.517 42.799,90.005 43.256,89.548 44.26,89.548 44.577,89.865 44.577,95.517 41.478,98.615 41.478,100.101 41.11,100.47
  region net 3V3DC: 38.506,28.524 38.506,30.162 39.027,30.683 39.192,30.683 39.599,30.277 39.599,28.588 39.434,28.423 38.608,28.423
  region net 3V3DC: 53.746,36.665 54.14,36.271 54.204,36.271 54.204,36.961 54.231,36.988
  region net 3V3DC: 34.62,53.378 34.658,53.34 35.72,53.34 35.864,53.149 35.964,53.017 36.093,52.807 36.093,51.232 36.22,51.105 36.678,51.105 36.83,51.257 36.83,52.959 37.046,53.175 37.046,54.826 36.906,54.966 36.957,54.966 36.652,55.372 36.246,54.966 33.033,54.966 29.909,58.09 29.909,60.376 29.781,60.503 28.943,60.503 28.816,60.376 28.816,57.747 32.36,54.204 35.864,54.204 35.661,54 34.696,54 34.62,53.924
  region net 12VDC: 50.025,72.377 54.039,68.364 54.039,62.801 54.267,62.573 54.864,62.573 55.118,62.827 55.118,69.113 51.257,72.974 51.257,87.668 46.901,92.024 45.898,92.024 45.657,91.783 45.657,88.798 50.025,84.43
  region net NetC3_2: 51.379,57.194 51.379,56.902 52.292,55.988 52.756,56.451 52.756,56.604 52.166,57.194
  region net NetC3_2: 48.551,60.847 48.551,62.801 48.82,63.07 51.319,63.07 51.486,62.903 51.486,60.782
  region net NetC3_2: 48.551,60.847 49.149,60.249 50.952,60.249 51.486,60.782
  region net NetC19_2: 24.915,31.926 24.911,31.931 24.911,32.186 25.006,32.186 25.096,32.096 25.096,32.063
  region net NetC18_2: 25.641,38.157 25.591,38.208 25.591,38.754 25.718,38.754 26.314,38.157
  region net 3V3DC: 32.322,42.443 32.512,42.253 40.246,42.253 41.554,43.561 43.395,43.561 44.844,42.112 44.844,37.033 45.276,36.601 53.81,36.601 54.216,36.195 54.623,36.601 54.623,37.56 54.177,37.798 53.759,38.049 47.943,38.049 46.571,39.421 46.571,48.209 44.844,49.936 44.844,51.88 47.922,54.958 48.4,55.156 51.143,55.156 51.245,55.258 51.245,56.375 51.168,56.451 47.809,56.451 47.473,56.312 46.533,55.372 42.736,55.372 42.736,55.639 42.38,55.994 38.989,55.994 38.793,55.798 39.408,55.372 39.408,52.972 39.713,52.667 42.824,52.667 43.04,52.451 43.04,51.918 43.04,49.921 42.68,49.052 37.202,43.574 32.461,43.574 32.322,43.434
  region net 3V3DC: 39.129,42.52 39.459,42.52 40.424,41.554 40.424,42.647
  region net NetC39_2: 72.136,12.306 74.092,12.306 74.282,12.116 74.282,11.328 74.206,11.252 72.098,11.252 72.009,11.341 72.009,12.179
  region net NetD6_1: 87.262,12.535 88.214,12.535 88.684,12.065 89.294,12.065 89.357,12.002 89.357,11.1 89.281,11.024 87.236,11.024 87.198,11.062 87.198,12.471
  region net NetD6_2: 83.744,12.141 84.912,12.141 85.319,12.548 86.322,12.548 86.436,12.433 86.436,11.087 86.309,10.96 85.357,10.96 84.849,11.468 83.769,11.468 83.668,11.57 83.668,12.065
  region net 3V3DC_2: 78.829,21.285 79.362,20.752 78.649,20.752 78.623,20.777
  region net 3V3DC_2: 81.382,20.371 82.779,20.371 84.15,18.999 86.868,18.999 87.008,18.86 87.008,18.047 86.779,17.818 85.636,17.818 85.103,17.285 85.103,16.726 84.836,16.459 83.731,16.459 83.553,16.637 82.055,18.136 79.477,18.136 79.312,18.301 79.312,19.698 79.527,19.914 80.924,19.914
  region net 3V3DC_2: 81.382,20.371 81.813,20.803 81.813,21.399 82.22,21.806 82.893,21.806 83.16,21.539 83.16,19.914
  region net NetC41_1: 68.466,22.555 68.466,20.625 68.555,20.536 69.431,20.536 69.558,20.663 69.558,22.53 69.431,22.657 68.567,22.657
  region net TEMP_ADC: 66.827,20.625 66.984,20.468 67.801,20.468 67.97,20.637 67.97,24.32 67.869,24.422 66.929,24.422 66.827,24.32
  region net 3V3DC_2: 70.041,11.09 70.041,8.585 71.311,7.315 72.492,7.315 73.216,8.039 73.216,8.684 71.615,9.754 71.615,11.532 70.457,11.513
  region net 3V3DC: 40.399,38.798 39.021,37.421 39.756,36.686 40.897,36.686 40.958,36.746 40.958,38.214
  region net USB_N: 9.823,67.285 10.642,67.285 10.642,67.831 9.474,67.831 9.474,67.438 8.979,66.942 9.445,66.942 9.788,67.285 9.589,67.427 9.589,67.563
  region net NetD4_2: 13.868,70.434 13.78,69.913 13.246,69.913 12.852,70.409 11.125,70.409 10.973,70.561 10.973,72.568 11.163,72.758 13.729,72.758 13.868,72.619
  region net NetR3_1: 32.135,39.595 32.135,38.913 32.601,38.913 32.931,39.243 32.931,39.535 32.677,39.789 32.253,39.789
  region net NetR10_1: 30.607,26.149 30.607,25.095 30.391,24.879 29.629,24.879 29.578,24.93 29.578,25.959 29.82,26.2 30.493,26.2
  region net NetR12_1: 32.131,26.399 32.131,26.119 32.418,25.832 32.41,25.824 32.41,24.956 32.499,24.867 33.223,24.867 33.274,24.917 33.274,25.971 32.839,26.406 32.28,26.406
  region net NetR11_1: 31.928,26.531 31.928,25.006 31.763,24.841 31.09,24.841 30.925,25.006 30.925,25.806 31.661,26.543 31.661,26.556
  region net RTC_SDA: 31.96,42.145 32.283,41.821 33.325,41.821 33.325,40.881 32.937,40.493 32.885,40.545 32.733,40.545 32.504,40.773 32.504,40.858
  region net 3V3DC: 30.544,41.478 30.245,41.18 30.245,40.443 31.375,40.443 31.375,41.205 31.09,41.491
  region net NetLS1_2: 8.28,62.408 8.28,61.201 8.877,60.604 9.843,60.604 10.414,61.176 10.414,62.471 9.741,63.144 9.741,63.894 9.627,64.008 8.903,64.008 8.827,63.932 8.827,62.954
  region net WIFI_EN: 34.862,23.254 35.084,23.031 35.147,23.031 35.147,22.523 34.798,22.174 33.998,22.174 33.896,22.276 33.896,23.152 33.998,23.254 34.023,23.254
  region net 3V3DC: 39.948,37.484 40.354,37.89 40.354,37.967 40.773,37.548 40.507,37.281 40.418,37.281
  region net 3V3DC: 30.245,38.881 30.588,38.538 30.588,36.951 30.651,36.887 30.944,36.887 30.944,38.538 31.375,38.97 31.375,40.443 31.299,40.519 30.321,40.519 30.245,40.443
  region net 3V3DC: 26.346,24.981 28.092,24.194 28.092,31.725 28.41,32.042 30.074,32.042 30.137,32.106 30.137,32.296 30.061,32.372 28.131,32.372 26.962,31.204 26.962,25.603 26.346,24.987
  region net 3V3DC: 25.286,21.946 27.33,21.946 28.092,22.708 28.092,24.194 27.305,24.981 25.387,24.981 24.689,24.282 24.689,22.598
  region net NetR20_1: 32.385,53.873 32.233,53.721 32.233,51.384 32.41,51.206 32.868,51.206 32.995,51.333 32.995,53.772 32.893,53.873
  region net 12VDC: 31.242,21.59 32.385,21.59 32.868,21.107 32.868,20.425 33.157,19.725 34.371,18.512 34.519,18.155 34.519,17.323 34.417,17.221 33.934,17.221 33.782,17.374 33.782,17.882 32.385,19.279 31.267,19.279 30.556,19.99 30.556,20.93 31.217,21.59 31.234,21.59
  region net NetD1_2: 33.63,13.64 33.757,13.005 33.299,13.005 33.122,13.183 33.122,13.462 33.452,13.462
  region net NetD1_2: 32.868,13.716 33.858,14.707 33.858,15.596 33.934,15.672 34.442,15.672 34.493,15.621 34.493,14.326 33.376,13.208
  region net NetD1_2: 32.868,13.716 33.376,13.208 34.188,13.208 34.366,13.03 34.366,12.446 34.138,12.217 32.969,12.217 32.385,11.633 31.039,11.633 30.632,12.04 30.632,13.411 31.09,13.868 32.5,13.868
  region net 12VDC: 32.537,7.442 30.455,9.525 30.455,10.084 31.267,10.897 32.334,10.897 34.646,8.585 34.646,7.595 34.493,7.442
  region net NetR21_1: 33.63,53.975 33.503,53.848 33.503,51.384 33.68,51.206 34.138,51.206 34.265,51.333 34.265,53.848 34.138,53.975
  region net 3V3DC: 41.935,60.96 39.141,60.96 38.608,60.427 38.633,60.401 38.633,60.185 39.078,59.741 40.513,59.741 41.021,59.233 41.986,59.233 42.164,59.411 42.164,60.808 42.012,60.96
  region net NetC3_1: 51.308,57.582 52.578,57.582 52.832,57.328 52.959,57.201 53.467,57.201 53.594,57.328 53.594,58.852 53.467,58.979 52.959,58.979 52.832,58.852 52.705,58.725 51.308,58.725 51.181,58.598 51.181,57.709
Bottom Layer:
  region net 3V3DC: 33.896,10.135 35.192,8.839 42.253,8.839 42.431,9.017 42.431,9.868 42.266,10.033 35.979,10.033 35.166,10.846 35.166,11.532 35.927,10.771 36.328,10.604 37.579,10.604 37.757,10.782 37.757,11.354 37.541,11.57 36.055,11.57 35.052,12.573 35.051,12.562 33.896,13.116 33.896,11.112
  region net GND: 59.766,8.623 57.709,8.623 57.404,8.319 57.404,7.988 57.709,7.683 59.804,7.683
  region net GND: 26.746,27.711 26.975,27.483 28.105,27.483 28.245,27.622 28.245,30.137 28.004,30.378 26.949,30.378 26.746,30.175
  region net GND: 34.95,8.077 40.284,8.077 40.792,8.585 40.869,8.661 42.316,8.661 42.418,8.56 42.418,7.722 42.316,7.62 40.767,7.62 40.462,7.315 40.462,7.048 40.399,6.985 34.9,6.985 34.785,7.099 34.785,7.912
  region net 12VDC: 49.939,46.269 48.387,44.717 48.387,42.901 49.187,42.1 52.045,42.1 52.883,42.939 52.883,44.767 51.411,46.239
  region net NRST: 25.222,27.559 25.286,27.495 26.213,27.495 26.289,27.572 26.289,27.622 26.289,30.29 26.213,30.366 25.311,30.366 25.222,30.277
GND (plane layer: these items are gaps in the copper):
  rectangle: 63.106,12.865 64.795,14.808
  rectangle: 52.261,34.9 53.924,36.411
  rectangle: 60.452,-0.432 62.382,26.111
  rectangle: 29.121,99.543 60.998,101.752
  rectangle: 0.191,96.469 29.832,101.359
  rectangle: -0.051,77.534 18.491,90.145
  rectangle: 39.865,33.299 42.939,35.547
  rectangle: 36.97,33.998 42.799,34.925
  rectangle: 42.329,32.855 44.425,36.258
  rectangle: 0.025,-0.089 15.761,24.79
  rectangle: 41.161,0.165 60.973,7.201
  rectangle: 0.152,89.281 58.89,97.46
  rectangle: 14.707,61.519 47.943,92.786
PWR (plane layer: these items are gaps in the copper):
  rectangle: 60.655,-0.368 62.7,26.251
  rectangle: 0.292,0.013 16.066,24.828
  rectangle: 41.097,-0.013 61.62,7.341
  region: 14.958,88.85 -0.625,88.85 -0.625,77.826 14.958,77.826
  rectangle: 14.084,61.379 48.298,88.43
  rectangle: -0.241,86.703 61.163,101.816
  lines w0.127: 12.243,33.147 12.319,33.071 ; 2.604,61.785 9.347,75.438 11.745,74.328 6.522,61.475 13.373,54.902 16.395,55.945 30.607,60.731 43.875,60.679 51.528,56.897 59.22,56.845 59.233,53.442 59.004,53.429 51.601,53.429 42.354,58.915 31.128,58.915 17.158,54.419 14.618,50.381 12.014,50.343 2.604,61.785 ; 11.913,36.525 15.392,37.109 19.685,18.58 27.702,19.181 30.388,21.866 33.122,22.187 33.782,19.837 29.638,15.78 29.592,11.329 33.416,11.214 49.441,18.098 49.441,24.27 49.441,42.126 48.247,43.015 48.26,45.606 50.444,46.584 53.048,45.796 53.01,43.231 51.765,41.872 51.765,18.771 51.753,16.815 33.343,8.293 27.318,8.293 27.345,16.827 17.196,16.434 14.707,23.457 11.913,36.525 ; 24.181,22.72 24.181,24.46 24.917,25.197 27.242,25.235 28.207,24.689 29.337,24.714 31.521,26.899 37.795,26.899 37.986,27.089 37.986,30.836 38.341,31.191 38.341,31.966 38.926,32.55 39.497,33.122 39.497,40.856 32.449,40.869 30.239,39.7 29.07,41.491 31.331,42.659 39.153,42.757 39.1,56.815 43.027,56.755 46.934,48.185 42.304,35.979 42.304,33.21 42.875,32.779 41.034,30.937 41.034,24.092 38.684,17.831 36.716,17.945 36.982,20.65 37.465,23.065 36.361,24.74 35.318,24.74 33.618,23.203 29.121,23.025 27.8,21.704 25.197,21.704 24.181,22.72

## Silkscreen, mask and mechanical layers (free items; w line width, h text height)
Top Overlay:
  drawing of 2009 lines, arcs and shapes, not listed
  text "AC" at 1.38,90.331 h1
  text "5V" at 15.274,57.362 h1
  text "12V" at 14.441,40.064 h1
  text "GND_TEST" at 54.392,39.705 h0.5
  text "SENSOR" at 51.503,27.898 h1 r90
  text "PROGRAMMING" at 40.484,14.563 h1
  text "Wireless_Security_Detector_v01" at 60.237,12.963 h1 r90
  text "GND_TEST" at 85.405,5.237 h0.5
  text "Wireless_Security_Detector_v01" at 62.467,0.659 h1
Bottom Overlay:
  drawing of 573 lines, arcs and shapes, not listed
  text "GND_TEST" at 57.889,39.692 h0.5
  text "GND_TEST" at 89.22,5.212 h0.5
Top Solder:
  rectangle: 55.448,40.5 56.896,41.948
  rectangle: 86.741,6.096 87.757,7.112
  region: 49.753,43.748 ccw(c49.753,41.998) 48.003,41.998 ccw(c49.753,41.998) 49.753,40.248 ccw(c49.753,41.998) 51.503,41.998 ccw(c49.753,41.998)
Bottom Solder:
  rectangle: 86.741,6.096 87.757,7.112
  rectangle: 55.461,40.5 56.896,41.935
Route Tool Path:
  lines w0.3: 61.175,2.987 61.175,3.363 ; 61.175,3.988 61.175,4.363 ; 61.175,4.988 61.175,5.363 ; 61.175,5.988 61.175,6.363 ; 61.175,6.988 61.175,7.362 ; 61.175,7.987 61.175,8.363 ; 61.175,8.988 61.175,9.363 ; 61.175,9.988 61.175,10.363 ; 61.175,10.988 61.175,11.362 ; 61.175,11.987 61.175,12.363 ; 61.175,12.988 61.175,13.363 ; 61.175,13.988 61.175,14.363 ; 61.175,14.988 61.175,15.363 ; 61.175,15.988 61.175,16.362 ; 61.175,16.987 61.175,17.363 ; 61.175,17.988 61.175,18.363 ; 61.175,19.013 61.175,19.363 ; 61.175,20 61.175,20.375 ; 61.175,21 61.175,21.375 ; 61.175,22 61.175,22.375 ; 61.175,23 61.175,23.375 ; 61.85,2.987 61.85,3.363 ; 61.85,3.988 61.85,4.363 ; 61.85,4.988 61.85,5.363 ; 61.85,5.988 61.85,6.363 ; 61.85,6.988 61.85,7.362 ; 61.85,7.987 61.85,8.363 ; 61.85,8.988 61.85,9.363 ; 61.85,9.988 61.85,10.363 ; 61.85,10.988 61.85,11.362 ; 61.85,11.987 61.85,12.363 ; 61.85,12.988 61.85,13.363 ; 61.85,13.988 61.85,14.363 ; 61.85,14.988 61.85,15.363 ; 61.85,15.988 61.85,16.362 ; 61.85,16.987 61.85,17.363 ; 61.85,17.988 61.85,18.363 ; 61.85,19.013 61.85,19.363 ; 61.85,20 61.85,20.375 ; 61.85,21 61.85,21.375 ; 61.85,22 61.85,22.375 ; 61.85,23 61.85,23.375
  lines w1: 61.521,24.125 61.521,25.978 ; 61.525,0.125 61.525,1.978
Drill Drawing:
  lines w0.1: 0.013,101.651 0,101.651 ; 0,101.651 60.935,101.651 60.96,101.625 60.96,25.895 91.542,25.895 91.542,0.051 0,0.051 0,101.651

## Text inside footprints (layer, text, board x,y; h text height)
S1: Bottom Overlay "G" at 76.389,9.239 h1 r135
X1: Top Overlay "G" at 23.307,35.068 h0.3 r50; Top Overlay "G" at 25.88,34.868 h0.3 r50